# Altium PCB Annotated_PCB.PcbDoc (part 1 of 4) (continued)
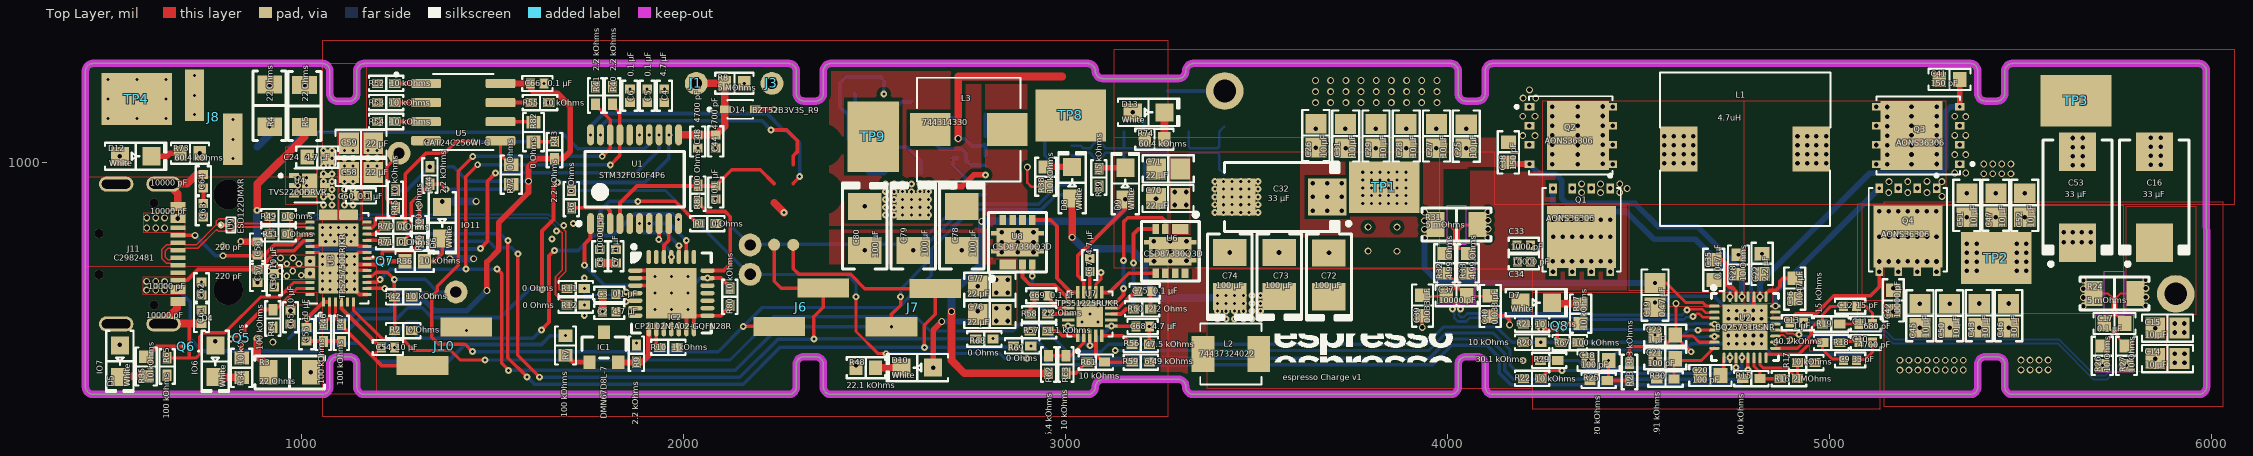
[diagram p0: Top Layer view]
## Part data
C1 C3 C5 C6 C82: library part LMK105BJ104MC-F, "CAP CER 0.1UF 10V X5R 0402", Device Package="0402 (1005 Metric)", manufacturer="Taiyo Yuden", Operating Temperature="-55°C ~ 85°C", Supplier Part Number 1=587-4572-1-ND, Temperature Coefficient=X5R, Tolerance=±20%, Voltage - Rated=10V, Applications="SMPS Filtering", Capacitance="0.1 µF", componentlink1description=Datasheet, componentlink1url=https://www.yuden.co.jp/productdata/catalog/mlcc01_e.pdf, componentlink2description="DigiKey Link", componentlink2url=https://www.digikey.com/en/products/detail/taiyo-yuden/LMK105BJ104MC-F/6035743, lastupdated="9/08/2022 12:01:16 PM", Lifecycle Status=Active, Minimum Order=1, Mounting Type="Surface Mount, MLCC", Package / Case="0402 (1005 Metric)", packaging=TapeAndReel, partid=2414, Part Number=LMK105BJ104MC-F, Part Status=Active, price=0.03, series=M, Size / Dimension="0.039\" L x 0.020\" W (1.00mm x 0.50mm)", Supplier 1=DigiKey, Thickness (Max)="0.009\" (0.22mm)"
C2 C4: library part CL05A475KP5NRNC, "CAP CER 4.7UF 10V X5R 0402", Device Package="0402 (1005 Metric)", manufacturer="Samsung Electro-Mechanics", Operating Temperature="-55°C ~ 85°C", Supplier Part Number 1=1276-1480-1-ND, Temperature Coefficient=X5R, Tolerance=±10%, Voltage - Rated=10V, Applications="General Purpose", Capacitance="4.7 µF", componentlink1description=Datasheet, componentlink1url=http://www.samsungsem.com/kr/support/product-search/mlcc/CL05A475KP5NRNC.jsp, componentlink2description="DigiKey Link", componentlink2url=https://www.digikey.com/en/products/detail/samsung-electro-mechanics/CL05A475KP5NRNC/3887138, lastupdated="9/08/2022 12:01:16 PM", Lifecycle Status=Active, Minimum Order=1, Mounting Type="Surface Mount, MLCC", Package / Case="0402 (1005 Metric)", packaging=TapeAndReel, partid=2191, Part Number=CL05A475KP5NRNC, Part Status=Active, price=0.04, series=CL, Size / Dimension="0.039\" L x 0.020\" W (1.00mm x 0.50mm)", Supplier 1=DigiKey, Thickness (Max)="0.022\" (0.55mm)"
C7 C49: library part LMK105BJ105KPLF, "CAP CER 1UF 10V X5R 0402", Device Package="0402 (1005 Metric)", manufacturer="Taiyo Yuden", Operating Temperature="-55°C ~ 85°C", Supplier Part Number 1=587-6274-1-ND, Temperature Coefficient=X5R, Tolerance=±10%, Voltage - Rated=10V, Applications="SMPS Filtering", Capacitance="1 µF", componentlink1description=Datasheet, componentlink1url="https://ds.yuden.co.jp/TYCOMPAS/ut/detail?pn=LMK105BJ105KPLF &u=M", componentlink2description="DigiKey Link", componentlink2url=https://www.digikey.com/en/products/detail/taiyo-yuden/LMK105BJ105KPLF/7403744, lastupdated="9/08/2022 12:01:16 PM", Lifecycle Status=Active, Minimum Order=1, Mounting Type="Surface Mount, MLCC", Package / Case="0402 (1005 Metric)", packaging=TapeAndReel, partid=2328, Part Number=LMK105BJ105KPLF, Part Status=Active, price=0.02, series=M, Size / Dimension="0.039\" L x 0.020\" W (1.00mm x 0.50mm)", Supplier 1=DigiKey, Thickness (Max)="0.026\" (0.65mm)"
C8: library part LMF105B7103KVHF, "CAP, MLCC, 0402/1005, 10V, X7R,", Device Package="0402 (1005 Metric)", manufacturer="Taiyo Yuden", Operating Temperature="-55°C ~ 125°C", Ratings=AEC-Q200, Supplier Part Number 1=587-6579-1-ND, Temperature Coefficient=X7R, Tolerance=±10%, Voltage - Rated=10V, Applications="Automotive, SMPS Filtering", Capacitance="10000 pF", componentlink1description=Datasheet, componentlink1url=https://ds.yuden.co.jp/TYCOMPAS/ut/detail?pn=LMF105B7103KVHF&u=M, componentlink2description="DigiKey Link", componentlink2url=https://www.digikey.com/en/products/detail/taiyo-yuden/LMF105B7103KVHF/10379145, lastupdated="9/08/2022 12:01:17 PM", Lifecycle Status=Active, Minimum Order=1, Mounting Type="Surface Mount, MLCC", Package / Case="0402 (1005 Metric)", packaging=TapeAndReel, partid=1869, Part Number=LMF105B7103KVHF, Part Status=Active, price=0.01, series=M, Size / Dimension="0.039\" L x 0.020\" W (1.00mm x 0.50mm)", Supplier 1=DigiKey, Thickness (Max)="0.022\" (0.55mm)"
C9: library part UMK105CH330JVHF, "CAP CER 33PF 50V CH 0402", Device Package="0402 (1005 Metric)", manufacturer="Taiyo Yuden", Ratings=AEC-Q200, Supplier Part Number 1=587-5079-1-ND, Temperature Coefficient=CH, Tolerance=±5%, Voltage - Rated=50V, Applications=Automotive, Capacitance="33 pF", componentlink2description="DigiKey Link", componentlink2url=https://www.digikey.com/en/products/detail/taiyo-yuden/UMK105CH330JVHF/6563672, lastupdated="14/08/2022 9:05:56 PM", Lifecycle Status=Active, Minimum Order=1, Mounting Type="Surface Mount, MLCC", Package / Case="0402 (1005 Metric)", packaging=TapeAndReel, partid=1883, Part Number=UMK105CH330JVHF, Part Status=Active, price=0.01, series=M, Size / Dimension="0.039\" L x 0.020\" W (1.00mm x 0.50mm)", Supplier 1=DigiKey
C10 C44 C48: library part 0402B472J500CT, "CAP CER 4700PF 50V X7R 0402", Device Package="0402 (1005 Metric)", manufacturer="Walsin Technology Corporation", Operating Temperature="-55°C ~ 125°C", Supplier Part Number 1=1292-1210-1-ND, Temperature Coefficient=X7R, Tolerance=±5%, Voltage - Rated=50V, Applications="General Purpose", Capacitance="4700 pF", componentlink1description=Datasheet, componentlink1url=http://www.passivecomponent.com/wp-content/uploads/2018/10/MLCC.pdf, componentlink2description="DigiKey Link", componentlink2url=https://www.digikey.com/en/products/detail/walsin-technology-corporation/0402B472J500CT/9354708, Lifecycle Status=Active, Minimum Order=1, Mounting Type="Surface Mount, MLCC", Package / Case="0402 (1005 Metric)", packaging=TapeAndReel, partid=1879, Part Number=0402B472J500CT, Part Status=Active, price=0.01, series=-, Size / Dimension="0.039\" L x 0.020\" W (1.00mm x 0.50mm)", Supplier 1=DigiKey, Thickness (Max)="0.022\" (0.55mm)"
  C10: lastupdated="14/08/2022 9:05:56 PM"
  C44 C48: lastupdated="11/05/2023 7:06:21 PM"
C11: library part C1005NP01H681J050BA, "CAP CER 680PF 50V NP0 0402", Device Package="0402 (1005 Metric)", manufacturer="TDK Corporation", Operating Temperature="-55°C ~ 150°C", Supplier Part Number 1=445-13809-1-ND, Temperature Coefficient="C0G, NP0", Tolerance=±5%, Voltage - Rated=50V, Applications="General Purpose", Capacitance="680 pF", componentlink1description=Datasheet, componentlink1url=https://product.tdk.com/info/en/catalog/datasheets/mlcc_commercial_hightemp_en.pdf?ref_disty=digikey, componentlink2description="DigiKey Link", componentlink2url=https://www.digikey.com/en/products/detail/tdk-corporation/C1005NP01H681J050BA/3951045, Features="High Temperature", lastupdated="14/08/2022 9:05:57 PM", Lifecycle Status=Active, Minimum Order=1, Mounting Type="Surface Mount, MLCC", Package / Case="0402 (1005 Metric)", packaging=TapeAndReel, partid=1790, Part Number=C1005NP01H681J050BA, Part Status=Active, price=0.02, series=C, Size / Dimension="0.039\" L x 0.020\" W (1.00mm x 0.50mm)", Supplier 1=DigiKey, Thickness (Max)="0.022\" (0.55mm)"
C12: library part CBR04C150J5GAC, "CAP CER 15PF 50V C0G/NP0 0402", Device Package="0402 (1005 Metric)", manufacturer=KEMET, Operating Temperature="-55°C ~ 125°C", Supplier Part Number 1=399-6170-1-ND, Temperature Coefficient="C0G, NP0", Tolerance=±5%, Voltage - Rated=50V, Applications="RF, Microwave, High Frequency", Capacitance="15 pF", componentlink1description=Datasheet, componentlink1url=https://api.kemet.com/component-edge/download/datasheet/CBR04C150J5GAC.pdf, componentlink2description="DigiKey Link", componentlink2url=https://www.digikey.com/en/products/detail/kemet/CBR04C150J5GAC/2732287, Features="High Q, Low Loss, Ultra Low ESR", lastupdated="14/08/2022 9:05:58 PM", Lifecycle Status=Active, Minimum Order=1, Mounting Type="Surface Mount, MLCC", Package / Case="0402 (1005 Metric)", packaging=TapeAndReel, partid=1728, Part Number=CBR04C150J5GAC, Part Status=Active, price=0.02, series="CBR-SMD RF C0G", Size / Dimension="0.039\" L x 0.020\" W (1.00mm x 0.50mm)", Supplier 1=DigiKey, Thickness (Max)="0.022\" (0.55mm)"
C13: library part EMK105BJ105MV-F, "CAP CER 1UF 16V X5R 0402", Device Package="0402 (1005 Metric)", manufacturer="Taiyo Yuden", Operating Temperature="-55°C ~ 85°C", Supplier Part Number 1=587-5514-1-ND, Temperature Coefficient=X5R, Tolerance=±20%, Voltage - Rated=16V, Applications="SMPS Filtering", Capacitance="1 µF", componentlink1description=Datasheet, componentlink1url="https://ds.yuden.co.jp/TYCOMPAS/ut/detail?pn=EMK105BJ105MV-F  &u=M", componentlink2description="DigiKey Link", componentlink2url=https://www.digikey.com/en/products/detail/taiyo-yuden/EMK105BJ105MV-F/4970641, lastupdated="5/04/2023 7:05:02 PM", Lifecycle Status=Active, Minimum Order=1, Mounting Type="Surface Mount, MLCC", Package / Case="0402 (1005 Metric)", packaging=TapeAndReel, partid=1933, Part Number=EMK105BJ105MV-F, Part Status=Active, price=0.01, series=M, Size / Dimension="0.039\" L x 0.020\" W (1.00mm x 0.50mm)", Supplier 1=DigiKey, Thickness (Max)="0.022\" (0.55mm)"
C14 C15 C25 C26 C27 C28 C29 C31 C43 C45 C46 C47 C50 C51 C52: library part GRM21BR61H106KE43L, "CAP CER 10UF 50V X5R 0805", Device Package="0805 (2012 Metric)", manufacturer="Murata Electronics", Operating Temperature="-55°C ~ 85°C", Supplier Part Number 1=490-18663-1-ND, Temperature Coefficient=X5R, Tolerance=±10%, Voltage - Rated=50V, Applications="General Purpose", Capacitance="10 µF", componentlink1description=Datasheet, componentlink1url=https://search.murata.co.jp/Ceramy/image/img/A01X/G101/ENG/GRM21BR61H106KE43-01A.pdf, componentlink2description="DigiKey Link", componentlink2url=https://www.digikey.com/en/products/detail/murata-electronics/GRM21BR61H106KE43L/10326316, lastupdated="14/08/2022 9:12:57 PM", Lifecycle Status=Active, Minimum Order=1, Mounting Type="Surface Mount, MLCC", Package / Case="0805 (2012 Metric)", packaging=TapeAndReel, partid=39284, Part Number=GRM21BR61H106KE43L, Part Status=Active, price=0.07, series=GRM, Size / Dimension="0.079\" L x 0.049\" W (2.00mm x 1.25mm)", Supplier 1=DigiKey, Thickness (Max)="0.057\" (1.45mm)"
C16 C32 C53: library part T495X336M035ATE175, "CAP TANT 33UF 20% 35V 2917", Device Package="2917 (7343 Metric)", ESR (Equivalent Series Resistance)=175mOhm, Lifetime @ Temp.="2000 Hrs @ 85°C", manufacturer=KEMET, Manufacturer Size Code=X, Operating Temperature="-55°C ~ 125°C", Supplier Part Number 1=399-5266-1-ND, Tolerance=±20%, Voltage - Rated="35 V", Capacitance="33 µF", componentlink1description=Datasheet, componentlink1url=https://api.kemet.com/component-edge/download/datasheet/T495X336M035ATE175.pdf, componentlink2description="DigiKey Link", componentlink2url=https://www.digikey.com/en/products/detail/kemet/T495X336M035ATE175/1833502, Features="General Purpose", Height - Seated (Max)="0.169\" (4.30mm)", lastupdated="14/08/2022 9:47:02 PM", Lifecycle Status=Active, Minimum Order=1, Mounting Type="Surface Mount", Package / Case="2917 (7343 Metric)", packaging=TapeAndReel, partid=698, Part Number=T495X336M035ATE175, Part Status=Active, price=1.07, series=T495, Size / Dimension="0.287\" L x 0.169\" W (7.30mm x 4.30mm)", Supplier 1=DigiKey, Type=Molded
C17: library part C0603C104K5RAC7411, "CAP CER 0.1UF 50V X7R 0603", Device Package="0603 (1608 Metric)", manufacturer=KEMET, Operating Temperature="-55°C ~ 125°C", Supplier Part Number 1=399-7374-2-ND, Temperature Coefficient=X7R, Tolerance=±10%, Voltage - Rated=50V, Applications="Bypass, Decoupling", Capacitance="0.1 µF", componentlink1description=Datasheet, componentlink1url=https://api.kemet.com/component-edge/download/datasheet/C0603C104K5RAC7411.pdf, componentlink2description="DigiKey Link", componentlink2url=https://www.digikey.com/en/products/detail/kemet/C0603C104K5RAC7411/3317013, lastupdated="14/08/2022 9:09:47 PM", Lifecycle Status=Active, Minimum Order=15000, Mounting Type="Surface Mount, MLCC", Package / Case="0603 (1608 Metric)", packaging=TapeAndReel, partid=2233, Part Number=C0603C104K5RAC7411, Part Status=Active, price=0.01, series="SMD Comm X7R", Size / Dimension="0.063\" L x 0.031\" W (1.60mm x 0.80mm)", Supplier 1=DigiKey, Thickness (Max)="0.035\" (0.90mm)"
C18 C20 C21: library part C0603C101K5GACAUTO, "CAP CER 100PF 50V C0G/NP0 0603", Device Package="0603 (1608 Metric)", manufacturer=KEMET, Operating Temperature="-55°C ~ 125°C", Ratings=AEC-Q200, Supplier Part Number 1=399-6843-1-ND, Temperature Coefficient="C0G, NP0", Tolerance=±10%, Voltage - Rated=50V, Applications=Automotive, Capacitance="100 pF", componentlink1description=Datasheet, componentlink1url=https://api.kemet.com/component-edge/download/datasheet/C0603C101K5GACAUTO.pdf, componentlink2description="DigiKey Link", componentlink2url=https://www.digikey.com/en/products/detail/kemet/C0603C101K5GACAUTO/3314842, Features="Low ESL", lastupdated="14/08/2022 9:09:47 PM", Lifecycle Status=Active, Minimum Order=1, Mounting Type="Surface Mount, MLCC", Package / Case="0603 (1608 Metric)", packaging=TapeAndReel, partid=2201, Part Number=C0603C101K5GACAUTO, Part Status=Active, price=0.01, series="SMD Auto C0G", Size / Dimension="0.063\" L x 0.031\" W (1.60mm x 0.80mm)", Supplier 1=DigiKey, Thickness (Max)="0.034\" (0.87mm)"
C19: library part C0805C474K5RACAUTO, "CAP CER 0.47UF 50V X7R 0805", Device Package="0805 (2012 Metric)", manufacturer=KEMET, Operating Temperature="-55°C ~ 125°C", Ratings=AEC-Q200, Supplier Part Number 1=399-6976-1-ND, Temperature Coefficient=X7R, Tolerance=±10%, Voltage - Rated=50V, Applications="Automotive, Bypass, Decoupling", Capacitance="0.47 µF", componentlink1description=Datasheet, componentlink1url=https://api.kemet.com/component-edge/download/datasheet/C0805C474K5RACAUTO.pdf, componentlink2description="DigiKey Link", componentlink2url=https://www.digikey.com/en/products/detail/kemet/C0805C474K5RACAUTO/3314969, lastupdated="14/08/2022 9:13:14 PM", Lifecycle Status=Active, Minimum Order=1, Mounting Type="Surface Mount, MLCC", Package / Case="0805 (2012 Metric)", packaging=TapeAndReel, partid=2727, Part Number=C0805C474K5RACAUTO, Part Status=Active, price=0.06, series="SMD Auto X7R", Size / Dimension="0.079\" L x 0.049\" W (2.00mm x 1.25mm)", Supplier 1=DigiKey, Thickness (Max)="0.043\" (1.10mm)"
C22: library part GRM188R6YA225KA12D, "CAP CER 2.2UF 35V X5R 0603", Device Package="0603 (1608 Metric)", manufacturer="Murata Electronics", Operating Temperature="-55°C ~ 85°C", Supplier Part Number 1=490-7204-1-ND, Temperature Coefficient=X5R, Tolerance=±10%, Voltage - Rated=35V, Applications="General Purpose", Capacitance="2.2 µF", componentlink1description=Datasheet, componentlink1url=https://www.murata.com/~/media/webrenewal/support/library/catalog/products/capacitor/mlcc/c02e.ashx?la=en-us, componentlink2description="DigiKey Link", componentlink2url=https://www.digikey.com/en/products/detail/murata-electronics/GRM188R6YA225KA12D/3900462, lastupdated="14/08/2022 9:09:23 PM", Lifecycle Status=Active, Minimum Order=1, Mounting Type="Surface Mount, MLCC", Package / Case="0603 (1608 Metric)", packaging=TapeAndReel, partid=11175, Part Number=GRM188R6YA225KA12D, Part Status=Active, price=0.03, series=GRM, Size / Dimension="0.063\" L x 0.031\" W (1.60mm x 0.80mm)", Supplier 1=DigiKey, Thickness (Max)="0.035\" (0.90mm)"
C23: library part GMJ107CB7105KAHR, "CAP CER 1UF 35V X7R 0603", Device Package="0603 (1608 Metric)", manufacturer="Taiyo Yuden", Operating Temperature="-55°C ~ 125°C", Ratings=AEC-Q200, Supplier Part Number 1=587-4356-1-ND, Temperature Coefficient=X7R, Tolerance=±10%, Voltage - Rated=35V, Applications="Automotive, Boardflex Sensitive", Capacitance="1 µF", componentlink1description=Datasheet, componentlink1url=https://www.yuden.co.jp/productdata/catalog//mlcc11_hq_e.pdf, componentlink2description="DigiKey Link", componentlink2url=https://www.digikey.com/en/products/detail/taiyo-yuden/GMJ107CB7105KAHR/5405535, Features="Soft Termination", lastupdated="14/08/2022 9:09:37 PM", Lifecycle Status=Active, Minimum Order=1, Mounting Type="Surface Mount, MLCC", Package / Case="0603 (1608 Metric)", packaging=TapeAndReel, partid=5874, Part Number=GMJ107CB7105KAHR, Part Status=Active, price=0.06, series=M, Size / Dimension="0.063\" L x 0.031\" W (1.60mm x 0.80mm)", Supplier 1=DigiKey, Thickness (Max)="0.035\" (0.90mm)"
C24: library part C1608X5R1V475K080AC, "CAP CER 4.7UF 35V X5R 0603", Device Package="0603 (1608 Metric)", manufacturer="TDK Corporation", Operating Temperature="-55°C ~ 85°C", Supplier Part Number 1=445-9064-1-ND, Temperature Coefficient=X5R, Tolerance=±10%, Voltage - Rated=35V, Applications="General Purpose", Capacitance="4.7 µF", componentlink1description=Datasheet, componentlink1url=https://product.tdk.com/info/en/catalog/datasheets/mlcc_commercial_general_en.pdf?ref_disty=digikey, componentlink2description="DigiKey Link", componentlink2url=https://www.digikey.com/en/products/detail/tdk-corporation/C1608X5R1V475K080AC/3648577, Features="Low ESL", lastupdated="9/05/2023 7:14:01 PM", Lifecycle Status=Active, Minimum Order=1, Mounting Type="Surface Mount, MLCC", Package / Case="0603 (1608 Metric)", packaging=TapeAndReel, partid=2627, Part Number=C1608X5R1V475K080AC, Part Status=Active, price=0.08, series=C, Size / Dimension="0.063\" L x 0.031\" W (1.60mm x 0.80mm)", Supplier 1=DigiKey, Thickness (Max)="0.039\" (1.00mm)"
C30 C54 C55 C65: library part CL05A106MP8NUB8, "CAP CER 10UF 10V X5R 0402", Device Package="0402 (1005 Metric)", manufacturer="Samsung Electro-Mechanics", Operating Temperature="-55°C ~ 85°C", Supplier Part Number 1=1276-6830-1-ND, Temperature Coefficient=X5R, Tolerance=±20%, Voltage - Rated=10V, Applications="Acoustic Noise Reduction", Capacitance="10 µF", componentlink1description=Datasheet, componentlink1url=http://www.samsungsem.com/kr/support/product-search/mlcc/CL05A106MP8NUB8.jsp, componentlink2description="DigiKey Link", componentlink2url=https://www.digikey.com/en/products/detail/samsung-electro-mechanics/CL05A106MP8NUB8/5961314, lastupdated="26/04/2023 7:02:37 PM", Lifecycle Status=Active, Minimum Order=1, Mounting Type="Surface Mount, MLCC", Package / Case="0402 (1005 Metric)", packaging=TapeAndReel, partid=1758, Part Number=CL05A106MP8NUB8, Part Status=Active, price=0.06, series=CL, Size / Dimension="0.039\" L x 0.020\" W (1.00mm x 0.50mm)", Supplier 1=DigiKey, Thickness (Max)="0.035\" (0.90mm)"
C33: library part UMK105CG102JVHF, "CAP CER 1000PF 50V NP0 0402", Device Package="0402 (1005 Metric)", manufacturer="Taiyo Yuden", Operating Temperature="-55°C ~ 125°C", Ratings=AEC-Q200, Supplier Part Number 1=587-3737-1-ND, Temperature Coefficient="C0G, NP0", Tolerance=±5%, Voltage - Rated=50V, Applications=Automotive, Capacitance="1000 pF", componentlink1description=Datasheet, componentlink1url="https://ds.yuden.co.jp/TYCOMPAS/ut/detail?pn=UMK105CG102JVHF &u=M", componentlink2description="DigiKey Link", componentlink2url=https://www.digikey.com/en/products/detail/taiyo-yuden/UMK105CG102JVHF/4811103, lastupdated="14/08/2022 9:05:57 PM", Lifecycle Status=Active, Minimum Order=1, Mounting Type="Surface Mount, MLCC", Package / Case="0402 (1005 Metric)", packaging=TapeAndReel, partid=1779, Part Number=UMK105CG102JVHF, Part Status=Active, price=0.01, series=M, Size / Dimension="0.039\" L x 0.020\" W (1.00mm x 0.50mm)", Supplier 1=DigiKey, Thickness (Max)="0.022\" (0.55mm)"
C34: library part TMK105BJ103KP-F, "CAP CER 10000PF 25V X5R 0402", Device Package="0402 (1005 Metric)", manufacturer="Taiyo Yuden", Operating Temperature="-55°C ~ 85°C", Supplier Part Number 1=587-5593-1-ND, Temperature Coefficient=X5R, Tolerance=±10%, Voltage - Rated=25V, Applications="SMPS Filtering", Capacitance="10000 pF", componentlink1description=Datasheet, componentlink1url="https://ds.yuden.co.jp/TYCOMPAS/ut/detail?pn=TMK105BJ103KP-F  &u=M", componentlink2description="DigiKey Link", componentlink2url=https://www.digikey.com/en/products/detail/taiyo-yuden/TMK105BJ103KP-F/5182051, lastupdated="9/05/2023 7:07:51 PM", Lifecycle Status=Active, Minimum Order=1, Mounting Type="Surface Mount, MLCC", Package / Case="0402 (1005 Metric)", packaging=TapeAndReel, partid=1788, Part Number=TMK105BJ103KP-F, Part Status=Active, price=0.01, series=M, Size / Dimension="0.039\" L x 0.020\" W (1.00mm x 0.50mm)", Supplier 1=DigiKey, Thickness (Max)="0.022\" (0.55mm)"
C35 C36: library part C0603C473K3RACAUTO, "CAP CER 0.047UF 25V X7R 0603", Device Package="0603 (1608 Metric)", manufacturer=KEMET, Operating Temperature="-55°C ~ 125°C", Ratings=AEC-Q200, Supplier Part Number 1=399-6899-1-ND, Temperature Coefficient=X7R, Tolerance=±10%, Voltage - Rated=25V, Applications="Automotive, Bypass, Decoupling", Capacitance="0.047 µF", componentlink1description=Datasheet, componentlink1url=https://api.kemet.com/component-edge/download/datasheet/C0603C473K3RACAUTO.pdf, componentlink2description="DigiKey Link", componentlink2url=https://www.digikey.com/en/products/detail/kemet/C0603C473K3RACAUTO/3314894, lastupdated="14/08/2022 9:09:47 PM", Lifecycle Status=Active, Minimum Order=1, Mounting Type="Surface Mount, MLCC", Package / Case="0603 (1608 Metric)", packaging=TapeAndReel, partid=2309, Part Number=C0603C473K3RACAUTO, Part Status=Active, price=0.02, series="SMD Auto X7R", Size / Dimension="0.063\" L x 0.031\" W (1.60mm x 0.80mm)", Supplier 1=DigiKey, Thickness (Max)="0.034\" (0.87mm)"
C37 C42: library part CGA3E2NP01H103J080AA, "CAP CER 10000PF 50V NP0 0603", Device Package="0603 (1608 Metric)", manufacturer="TDK Corporation", Operating Temperature="-55°C ~ 150°C", Ratings=AEC-Q200, Supplier Part Number 1=445-12383-1-ND, Temperature Coefficient="C0G, NP0", Tolerance=±5%, Voltage - Rated=50V, Applications=Automotive, Capacitance="10000 pF", componentlink1description=Datasheet, componentlink1url=https://product.tdk.com/info/en/catalog/datasheets/mlcc_automotive_hightemp_en.pdf?ref_disty=digikey, componentlink2description="DigiKey Link", componentlink2url=https://www.digikey.com/en/products/detail/tdk-corporation/CGA3E2NP01H103J080AA/3949619, Features="High Temperature", lastupdated="14/08/2022 9:09:46 PM", Lifecycle Status=Active, Minimum Order=1, Mounting Type="Surface Mount, MLCC", Package / Case="0603 (1608 Metric)", packaging=TapeAndReel, partid=2625, Part Number=CGA3E2NP01H103J080AA, Part Status=Active, price=0.08, series=CGA, Size / Dimension="0.063\" L x 0.031\" W (1.60mm x 0.80mm)", Supplier 1=DigiKey, Thickness (Max)="0.035\" (0.90mm)"
C38 C41: library part CC0603KRNPO9BN151, "CAP CER 150PF 50V C0G/NPO 0603", Device Package="0603 (1608 Metric)", manufacturer=Yageo, Operating Temperature="-55°C ~ 125°C", Supplier Part Number 1=311-4029-1-ND, Temperature Coefficient="C0G, NP0", Tolerance=±10%, Voltage - Rated=50V, Applications="General Purpose", Capacitance="150 pF", componentlink1description=Datasheet, componentlink1url=https://www.yageo.com/upload/media/product/productsearch/datasheet/mlcc/UPY-GP_NP0_16V-to-50V_17.pdf, componentlink2description="DigiKey Link", componentlink2url=https://www.digikey.com/en/products/detail/yageo/CC0603KRNPO9BN151/5883706, lastupdated="14/08/2022 9:09:44 PM", Lifecycle Status=Active, Minimum Order=1, Mounting Type="Surface Mount, MLCC", Package / Case="0603 (1608 Metric)", packaging=TapeAndReel, partid=3558, Part Number=CC0603KRNPO9BN151, Part Status=Active, price=0.01, series=CC, Size / Dimension="0.063\" L x 0.031\" W (1.60mm x 0.80mm)", Supplier 1=DigiKey, Thickness (Max)="0.035\" (0.90mm)"
C39 C40: library part C0603C333K5RACAUTO, "CAP CER 0.033UF 50V X7R 0603", Device Package="0603 (1608 Metric)", manufacturer=KEMET, Operating Temperature="-55°C ~ 125°C", Ratings=AEC-Q200, Supplier Part Number 1=399-6884-1-ND, Temperature Coefficient=X7R, Tolerance=±10%, Voltage - Rated=50V, Applications="Automotive, Bypass, Decoupling", Capacitance="0.033 µF", componentlink1description=Datasheet, componentlink1url=https://api.kemet.com/component-edge/download/datasheet/C0603C333K5RACAUTO.pdf, componentlink2description="DigiKey Link", componentlink2url=https://www.digikey.com/en/products/detail/kemet/C0603C333K5RACAUTO/3314880, lastupdated="14/08/2022 9:09:47 PM", Lifecycle Status=Active, Minimum Order=1, Mounting Type="Surface Mount, MLCC", Package / Case="0603 (1608 Metric)", packaging=TapeAndReel, partid=2224, Part Number=C0603C333K5RACAUTO, Part Status=Active, price=0.01, series="SMD Auto X7R", Size / Dimension="0.063\" L x 0.031\" W (1.60mm x 0.80mm)", Supplier 1=DigiKey, Thickness (Max)="0.034\" (0.87mm)"
C56 C57: library part 885012205021, "CAP CER 220PF 16V X7R 0402", Device Package="0402 (1005 Metric)", manufacturer="Würth Elektronik", Operating Temperature="-55°C ~ 125°C", Supplier Part Number 1=732-7516-1-ND, Temperature Coefficient=X7R, Tolerance=±10%, Voltage - Rated=16V, Applications="General Purpose", Capacitance="220 pF", componentlink1description=Datasheet, componentlink1url=https://katalog.we-online.de/pbs/datasheet/885012205021.pdf, componentlink2description="DigiKey Link", componentlink2url=https://www.digikey.com/en/products/detail/würth-elektronik/885012205021/5453371, lastupdated="26/04/2023 7:02:36 PM", Lifecycle Status=Active, Minimum Order=1, Mounting Type="Surface Mount, MLCC", Package / Case="0402 (1005 Metric)", packaging=TapeAndReel, partid=2015, Part Number=885012205021, Part Status=Active, price=0.01, series=WCAP-CSGP, Size / Dimension="0.039\" L x 0.020\" W (1.00mm x 0.50mm)", Supplier 1=DigiKey, Thickness (Max)="0.022\" (0.55mm)"
C58 C59 C70 C71 C76 C77: library part C2012X5R1V226M125AC, "CAP CER 22UF 35V X5R 0805", Device Package="0805 (2012 Metric)", manufacturer="TDK Corporation", Operating Temperature="-55°C ~ 85°C", Supplier Part Number 1=445-14428-1-ND, Temperature Coefficient=X5R, Tolerance=±20%, Voltage - Rated=35V, Applications="General Purpose", Capacitance="22 µF", componentlink1description=Datasheet, componentlink1url=https://product.tdk.com/info/en/catalog/datasheets/mlcc_commercial_general_en.pdf?ref_disty=digikey, componentlink2description="DigiKey Link", componentlink2url=https://www.digikey.com/en/products/detail/tdk-corporation/C2012X5R1V226M125AC/3951664, Features="Low ESL", Lifecycle Status=Active, Minimum Order=1, Mounting Type="Surface Mount, MLCC", Package / Case="0805 (2012 Metric)", packaging=TapeAndReel, partid=45365, Part Number=C2012X5R1V226M125AC, Part Status=Active, price=0.28, series=C, Size / Dimension="0.079\" L x 0.049\" W (2.00mm x 1.25mm)", Supplier 1=DigiKey, Thickness (Max)="0.057\" (1.45mm)"
  C58 C59: lastupdated="26/04/2023 7:09:36 PM"
  C70 C71 C76 C77: lastupdated="27/04/2023 7:13:26 PM"
C60 C66 C69 C75: library part 885012105001, "CAP CER 0.1UF 6.3V X5R 0402", Device Package="0402 (1005 Metric)", manufacturer="Würth Elektronik", Operating Temperature="-55°C ~ 85°C", Supplier Part Number 1=732-7478-1-ND, Temperature Coefficient=X5R, Tolerance=±20%, Voltage - Rated=6.3V, Applications="General Purpose", Capacitance="0.1 µF", componentlink1description=Datasheet, componentlink1url=https://katalog.we-online.de/pbs/datasheet/885012105001.pdf, componentlink2description="DigiKey Link", componentlink2url=https://www.digikey.com/en/products/detail/würth-elektronik/885012105001/5453333, lastupdated="26/04/2023 7:02:37 PM", Lifecycle Status=Active, Minimum Order=1, Mounting Type="Surface Mount, MLCC", Package / Case="0402 (1005 Metric)", packaging=TapeAndReel, partid=1931, Part Number=885012105001, Part Status=Active, price=0.01, series=WCAP-CSGP, Size / Dimension="0.039\" L x 0.020\" W (1.00mm x 0.50mm)", Supplier 1=DigiKey, Thickness (Max)="0.022\" (0.55mm)"
C61 C62 C63 C64: library part CGA2B3X7R1V103M050BB, "CAP CER 10000PF 35V X7R 0402", Device Package="0402 (1005 Metric)", manufacturer="TDK Corporation", Operating Temperature="-55°C ~ 125°C", Ratings=AEC-Q200, Supplier Part Number 1=445-12253-1-ND, Temperature Coefficient=X7R, Tolerance=±20%, Voltage - Rated=35V, Applications=Automotive, Capacitance="10000 pF", componentlink1description=Datasheet, componentlink1url=https://product.tdk.com/info/en/catalog/datasheets/mlcc_automotive_general_en.pdf?ref_disty=digikey, componentlink2description="DigiKey Link", componentlink2url=https://www.digikey.com/en/products/detail/tdk-corporation/CGA2B3X7R1V103M050BB/3949489, lastupdated="26/04/2023 7:02:37 PM", Lifecycle Status=Active, Minimum Order=1, Mounting Type="Surface Mount, MLCC", Package / Case="0402 (1005 Metric)", packaging=TapeAndReel, partid=1926, Part Number=CGA2B3X7R1V103M050BB, Part Status=Active, price=0.01, series=CGA, Size / Dimension="0.039\" L x 0.020\" W (1.00mm x 0.50mm)", Supplier 1=DigiKey, Thickness (Max)="0.022\" (0.55mm)"
C67 C68: library part CL05A475MO5NUNC, "CAP CER 4.7UF 16V X5R 0402", Device Package="0402 (1005 Metric)", manufacturer="Samsung Electro-Mechanics", Operating Temperature="-55°C ~ 85°C", Supplier Part Number 1=1276-6836-1-ND, Temperature Coefficient=X5R, Tolerance=±20%, Voltage - Rated=16V, Applications="General Purpose", Capacitance="4.7 µF", componentlink1description=Datasheet, componentlink1url=http://www.samsungsem.com/kr/support/product-search/mlcc/__icsFiles/afieldfile/2019/05/29/Data%20sheet_CL05A475MO5NUNC.pdf, componentlink2description="DigiKey Link", componentlink2url=https://www.digikey.com/en/products/detail/samsung-electro-mechanics/CL05A475MO5NUNC/5961320, lastupdated="27/04/2023 7:05:02 PM", Lifecycle Status=Active, Minimum Order=1, Mounting Type="Surface Mount, MLCC", Package / Case="0402 (1005 Metric)", packaging=TapeAndReel, partid=1760, Part Number=CL05A475MO5NUNC, Part Status=Active, price=0.08, series=CL, Size / Dimension="0.039\" L x 0.020\" W (1.00mm x 0.50mm)", Supplier 1=DigiKey, Thickness (Max)="0.028\" (0.70mm)"
C72 C73 C74 C78 C79 C80: library part ATCC-211B-010-107M-T, "CAP TANT 100UF 20% 10V 1411", Device Package="1411 (3528 Metric)", ESR (Equivalent Series Resistance)=1.5Ohm, manufacturer="Abracon LLC", Manufacturer Size Code=B, Operating Temperature="-55°C ~ 125°C", Supplier Part Number 1=ATCC-211B-010-107M-TCT-ND, Tolerance=±20%, Voltage - Rated="10 V", Capacitance="100 µF", componentlink1description=Datasheet, componentlink1url=https://abracon.com/Magnetics/inductors/ATCC-211.pdf, componentlink2description="DigiKey Link", componentlink2url=https://www.digikey.com/en/products/detail/abracon-llc/ATCC-211B-010-107M-T/4245645, Features="General Purpose", Height - Seated (Max)="0.083\" (2.10mm)", lastupdated="27/04/2023 7:52:12 PM", Lifecycle Status=Active, Minimum Order=1, Mounting Type="Surface Mount", Package / Case="1411 (3528 Metric)", packaging=TapeAndReel, partid=25, Part Number=ATCC-211B-010-107M-T, Part Status=Active, price=0.45, series=ATCC-211, Size / Dimension="0.138\" L x 0.110\" W (3.50mm x 2.80mm)", Supplier 1=DigiKey, Type=Molded
C81 C83 C84: library part C0603C104K5RAC7411, "CAP CER 0.1UF 50V X7R 0603", Device Package="0603 (1608 Metric)", manufacturer=KEMET, Operating Temperature="-55°C ~ 125°C", Supplier Part Number 1=399-C0603C104K5RAC7411CT-ND, Temperature Coefficient=X7R, Tolerance=±10%, Voltage - Rated=50V, Applications="Bypass, Decoupling", Capacitance="0.1 µF", componentlink1description=Datasheet, componentlink1url=https://api.kemet.com/component-edge/download/datasheet/C0603C104K5RAC7411.pdf, componentlink2description="DigiKey Link", componentlink2url=https://www.digikey.com/en/products/detail/kemet/C0603C104K5RAC7411/3317013, lastupdated="11/07/2023 7:07:50 PM", Lifecycle Status=Active, Minimum Order=1, Mounting Type="Surface Mount, MLCC", Package / Case="0603 (1608 Metric)", packaging=TapeAndReel, partid=2233, Part Number=C0603C104K5RAC7411, Part Status=Active, price=0.01, series="SMD Comm X7R", Size / Dimension="0.063\" L x 0.031\" W (1.60mm x 0.80mm)", Supplier 1=DigiKey, Thickness (Max)="0.035\" (0.90mm)"
C85: library part AC0402KRX7R7BB332, "CAP CER 3300PF 16V X7R 0402", Device Package="0402 (1005 Metric)", manufacturer=Yageo, Operating Temperature="-55°C ~ 125°C", Ratings=AEC-Q200, Supplier Part Number 1=311-3268-1-ND, Temperature Coefficient=X7R, Tolerance=±10%, Voltage - Rated=16V, Applications=Automotive, Capacitance="3300 pF", componentlink1description=Datasheet, componentlink1url=http://www.yageo.com/documents/recent/UPY-AC_NP0X7R_16V-to-630V_12.pdf, componentlink2description="DigiKey Link", componentlink2url=https://www.digikey.com/en/products/detail/yageo/AC0402KRX7R7BB332/6643254, lastupdated="11/07/2023 7:03:47 PM", Lifecycle Status=Active, Minimum Order=1, Mounting Type="Surface Mount, MLCC", Package / Case="0402 (1005 Metric)", packaging=TapeAndReel, partid=1886, Part Number=AC0402KRX7R7BB332, Part Status=Active, price=0.01, series=AC, Size / Dimension="0.039\" L x 0.020\" W (1.00mm x 0.50mm)", Supplier 1=DigiKey, Thickness (Max)="0.022\" (0.55mm)"
D1 D2 D3 D4 D5 D6 D7 D8 D9 D10 D12 D13: library part QBLP631-IW5, "0805 LED WHITE, YELLOW DIFFUSED", Current - Test=5mA, Device Package="0805 (2012 Metric)", Lens Color=Yellow, manufacturer="QT Brightek (QTB)", Millicandela Rating=85mcd, Supplier Device Package=0805, Supplier Part Number 1=1516-QBLP631-IW5CT-ND, Voltage - Forward (Vf) (Typ)=2.9V, Color=White, componentlink1description=Datasheet, componentlink1url=https://www.qt-brightek.com/datasheet/QBLP631-IW5.pdf, componentlink2description="DigiKey Link", componentlink2url=https://www.digikey.com/en/products/detail/qt-brightek-qtb/QBLP631-IW5/16499651, Configuration=Standard, Height (Max)=0.90mm, lastupdated="9/08/2022 12:43:05 PM", Lens Size="1.30mm x 1.25mm", Lens Style="Rectangle with Flat Top", Lens Transparency=Diffused, Lifecycle Status=Active, Minimum Order=1, Mounting Type="Surface Mount", Package / Case="0805 (2012 Metric)", packaging=TapeAndReel, partid=1097, Part Number=QBLP631-IW5, Part Status=Active, price=0.08, series=QBLP631, Size / Dimension="2.00mm L x 1.25mm W", Supplier 1=DigiKey, Viewing Angle=140°
D14 J6 J7 J8 J10 TP1 TP2 TP3 TP4 TP8 TP9 U4 U7 U10: Package=None, Availability=Unavailable, price=None
  D14: MF="{'manufacturer': u'Taiwan Semiconductor'}", MP=BZT52B3V3S_R9
  J6 J7 J8 J10: MF="{'manufacturer': u'Samtec Inc.'}", MP=TSM-102-01-L-SV
  TP1 TP2 TP3 TP4 TP8 TP9: MF="{'manufacturer': u'Keystone Electronics'}", MP=5016
  U4: MF="{'manufacturer': u'Texas Instruments'}", MP=TVS2200DRVR
  U7: MF="{'manufacturer': u'Texas Instruments'}", MP=TPS51225RUKR
  U10: MF="{'manufacturer': u'Texas Instruments'}", MP=BQ34Z100PW-G1
IC1: "MOSFET N-CH 60V 210MA SOT23", Current - Continuous Drain (Id) @ 25°C="210mA (Ta)", Drain to Source Voltage (Vdss)="60 V", Drive Voltage (Max Rds On,  Min Rds On)="5V, 10V", Input Capacitance (Ciss) (Max) @ Vds="22 pF @ 25 V", manufacturer="Diodes Incorporated", Operating Temperature="-55°C ~ 150°C (TJ)", Package / Case="TO-236-3, SC-59, SOT-23-3", Power Dissipation (Max)="340mW (Ta)", Supplier Device Package=SOT-23-3, Supplier Part Number 1=DMN67D8L-7DICT-ND, componentlink1description=Datasheet, componentlink1url=https://www.diodes.com/assets/Datasheets/DMN67D8L.pdf, componentlink2description="DigiKey Link", componentlink2url=https://www.digikey.com/en/products/detail/diodes-incorporated/DMN67D8L-7/5768832, FET Type=N-Channel, Gate Charge (Qg) (Max) @ Vgs="0.82 nC @ 10 V", lastupdated="9/08/2022 12:48:06 PM", Lifecycle Status=Active, Minimum Order=1, Mounting Type="Surface Mount", packaging=TapeAndReel, Part Number=DMN67D8L-7, Part Status=Active, price=0.03, Rds On (Max) @ Id, Vgs="5Ohm @ 500mA, 10V", series=-, Supplier 1=DigiKey, Technology="MOSFET (Metal Oxide)", Vgs (Max)=±30V, Vgs(th) (Max) @ Id="2.5V @ 250µA"
IC2: "IC USB TO UART BRIDGE QFN28", Current - Supply=9.5mA, manufacturer="Silicon Labs", Operating Temperature="-40°C ~ 85°C (TA)", Package / Case="28-WFQFN Exposed Pad", Supplier Device Package="28-QFN (5x5)", Supplier Part Number 1=336-5890-1-ND, Voltage - Supply="3V ~ 3.6V", componentlink1description=Datasheet, componentlink1url=https://www.silabs.com/documents/public/data-sheets/cp2102n-datasheet.pdf, componentlink2description="DigiKey Link", componentlink2url=http://digikey.com/product-detail/en/silicon-labs/CP2102N-A02-GQFN28R/336-5890-1-ND/9863483, Function="Bridge, USB to UART", Interface=UART, lastupdated="31/07/2020 4:26:30 PM", Lifecycle Status=Active, Minimum Order=1, packaging=TapeAndReel, Part Number=CP2102N-A02-GQFN28R, Part Status=Active, price=1.23, Protocol=USB, series=USBXpress™, Standards="USB 2.0", Supplier 1=DigiKey
J11: library part GT-USB-7079A, "5A 1 Surface Mount 16 Female -55?~+85? Type-C SMD USB Connectors ROHS C2982481"
L1: library part BMQADY1010404R7MA1, "BMQADY1010404R7MA1"
L2: "LHMI Inductor 4020 2.2uH 5.0A 27.0mOhm", Package=None, Availability=Unavailable, MF="{'manufacturer': u'W\xfcrth Elektronik'}", MP=74437324022, price=None
L3: "Inductor SMD 7050 3.3µH 9 A Wuerth Elektronik WE-HCI 744314330 1 pc(s)", Package=None, Availability=Unavailable, MF="{'manufacturer': u'Wurth Electronics'}", MP=744314330, price=None
LP1: library part "Dialight 515-1069F", "Light Pipe Dialight 515-1069F"
Q1 Q2 Q3 Q4: "30V N-Channel MOSFET"
Q5 Q6 Q7 Q8: "20-V N-Channel FemtoFET MOSFET 3-PICOSTAR -55 to 150", Package=None, Availability=Unavailable, MF="{'manufacturer': u'Texas Instruments'}", MP=CSD15380F3T, price=None
Q9: "BSS84 Series 50 V 10 Ohms P-Ch Enhancement Mode Field Effect Transistor SOT-23-3", Package=None, Availability=Unavailable, MF="{'manufacturer': u'ON Semiconductor'}", MP=BSS84, price=None
Q10: "N-Channel 60V 280mA (Ta) 350mW (Ta) Surface Mount SOT-23-3 (TO-236)", Package=None, Availability=Unavailable, MF="{'manufacturer': u'NTE Electronics, Inc'}", MP=2N7002, price=None
R1 R2 R6 R11 R12 R49 R51 R68 R69 R70 R71: library part CRCW04020000Z0EDHP, "RES SMD 0 OHM JUMPER 1/5W 0402", Device Package="0402 (1005 Metric)", manufacturer="Vishay Dale", Operating Temperature="-55°C ~ 155°C", Power (Watts)="0.2W, 1/5W", Ratings=AEC-Q200, Supplier Device Package=0402, Supplier Part Number 1=541-0.0YBCT-ND, Tolerance=Jumper, componentlink1description=Datasheet, componentlink1url=http://www.vishay.com/docs/20043/crcwhpe3.pdf, componentlink2description="DigiKey Link", componentlink2url=https://www.digikey.com/en/products/detail/vishay-dale/CRCW04020000Z0EDHP/2222496, Composition="Thick Film", Features="Automotive AEC-Q200, Pulse Withstanding", Height - Seated (Max)="0.016\" (0.40mm)", lastupdated="27/04/2023 7:26:03 PM", Lifecycle Status=Active, Minimum Order=1, Number of Terminations=2, Package / Case="0402 (1005 Metric)", packaging=TapeAndReel, partid=3131, Part Number=CRCW04020000Z0EDHP, Part Status=Active, price=0.01, Resistance="0 Ohms", series=CRCW-HP, Size / Dimension="0.039\" L x 0.020\" W (1.00mm x 0.50mm)", Supplier 1=DigiKey